# Altium PCB PCB_v2.PcbDoc (part 2 of 2) (continued)
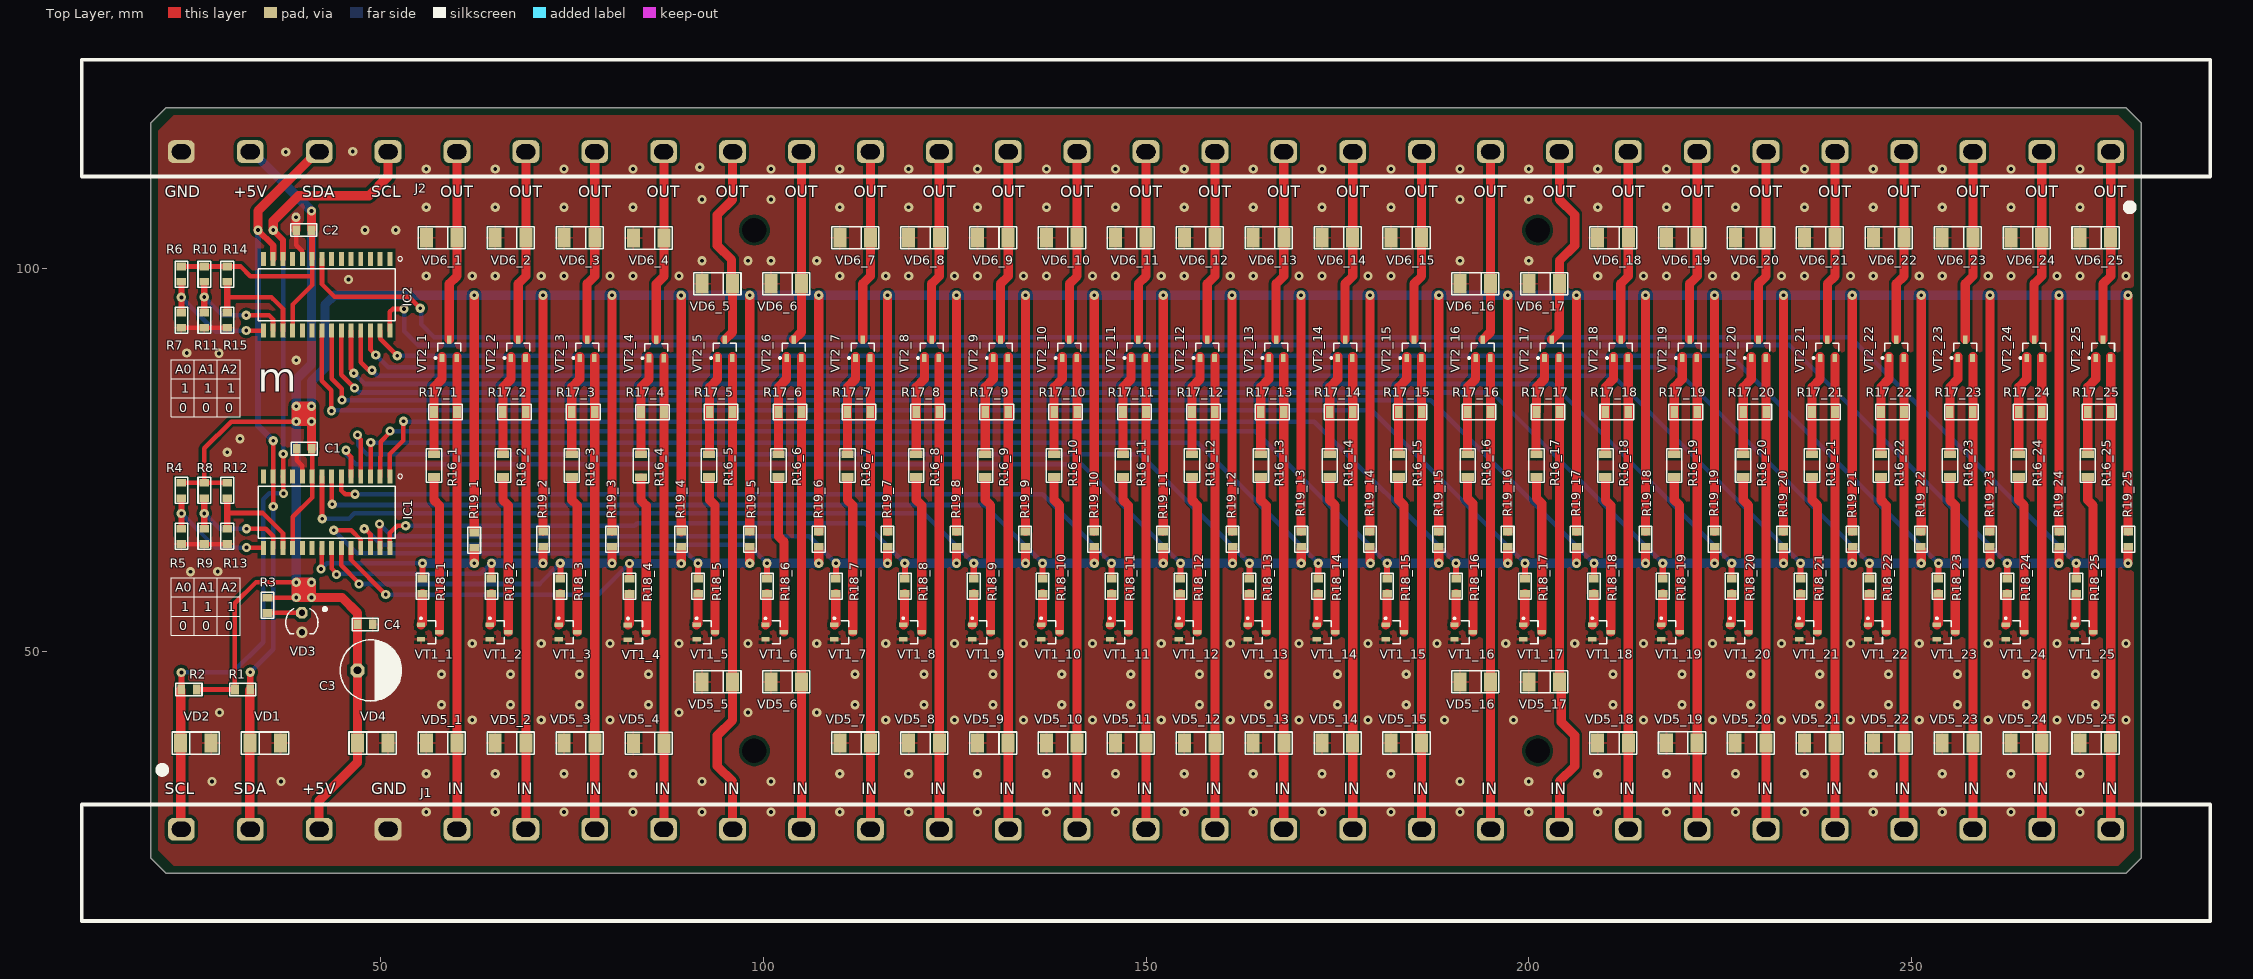
[diagram p0: Top Layer view]
## Nets (pads, with @x,y where several pads share a name; then routed paths per layer and width w, separated by ;. In a path a pad name is that pad's centre, name@x,y a point inside that pad or via, vN(x,y) a via of type N, cw(c..) or ccw(c..) an arc to the next point about the centre after c; other vN are vias at no path point) (continued)
NetR16_17_2: R16_17.2 VT1_17.3 | length 20.4
  Top Layer w1.2: R16_17.2@201,72.65 201,70 201.7,69.3 VT1_17.3@201.7,52.5
NetR16_18_1: R16_18.1 R17_18.2 VT2_18.1 | length 12.9
  Top Layer w1.2: R16_18.1@210,76 210,79 210,84.5 211.05,85.55 VT2_18.1@211.05,88.3 VT2_18.1@211.05,88.5
NetR16_18_2: R16_18.2 VT1_18.3 | length 20.4
  Top Layer w1.2: R16_18.2@210,72.65 210,69.75 210.7,69.05 VT1_18.3@210.7,52.5
NetR16_19_1: R16_19.1 R17_19.2 VT2_19.1 | length 12.9
  Top Layer w1.2: R16_19.1@219,76 219,79 219,84.5 220.05,85.55 VT2_19.1@220.05,88.3 VT2_19.1@220.05,88.5
NetR16_19_2: R16_19.2 VT1_19.3 | length 20.4
  Top Layer w1.2: R16_19.2@219,72.65 219,69.75 219.7,69.05 VT1_19.3@219.7,52.5
NetR16_20_1: R16_20.1 R17_20.2 VT2_20.1 | length 12.9
  Top Layer w1.2: R16_20.1@228,76 228,79 228,84.5 229.05,85.55 VT2_20.1@229.05,88.3 VT2_20.1@229.05,88.5
NetR16_20_2: R16_20.2 VT1_20.3 | length 20.4
  Top Layer w1.2: R16_20.2@228,72.65 228,69.75 228.7,69.05 VT1_20.3@228.7,52.5
NetR16_21_1: R16_21.1 R17_21.2 VT2_21.1 | length 12.9
  Top Layer w1.2: R16_21.1@237,76 237,79 237,84.5 238.05,85.55 VT2_21.1@238.05,88.3 VT2_21.1@238.05,88.5
NetR16_21_2: R16_21.2 VT1_21.3 | length 20.4
  Top Layer w1.2: R16_21.2@237,72.65 237,69.75 237.7,69.05 VT1_21.3@237.7,52.5
NetR16_22_1: R16_22.1 R17_22.2 VT2_22.1 | length 12.9
  Top Layer w1.2: R16_22.1@246,76 246,79 246,84.5 247.05,85.55 VT2_22.1@247.05,88.3 VT2_22.1@247.05,88.5
NetR16_22_2: R16_22.2 VT1_22.3 | length 20.4
  Top Layer w1.2: R16_22.2@246,72.65 246,69.75 246.7,69.05 VT1_22.3@246.7,52.5
NetR16_23_1: R16_23.1 R17_23.2 VT2_23.1 | length 12.9
  Top Layer w1.2: R16_23.1@255,76 255,79 255,84.5 256.05,85.55 VT2_23.1@256.05,88.3 VT2_23.1@256.05,88.5
NetR16_23_2: R16_23.2 VT1_23.3 | length 20.4
  Top Layer w1.2: R16_23.2@255,72.65 255,69.75 255.7,69.05 VT1_23.3@255.7,52.5
NetR16_24_1: R16_24.1 R17_24.2 VT2_24.1 | length 12.9
  Top Layer w1.2: R16_24.1@264,76 264,79 264,84.5 265.05,85.55 VT2_24.1@265.05,88.3 VT2_24.1@265.05,88.5
NetR16_24_2: R16_24.2 VT1_24.3 | length 20.4
  Top Layer w1.2: R16_24.2@264,72.65 264,69.75 264.7,69.05 VT1_24.3@264.7,52.5
NetR16_25_1: R16_25.1 R17_25.2 VT2_25.1 | length 12.9
  Top Layer w1.2: R16_25.1@273,76 273,79 273,84.5 274.05,85.55 VT2_25.1@274.05,88.3 VT2_25.1@274.05,88.5
NetR16_25_2: R16_25.2 VT1_25.3 | length 20.4
  Top Layer w1.2: R16_25.2@273,72.65 273,69.75 273.7,69.05 VT1_25.3@273.7,52.5
NetR18_1_2: R18_1.2 VT1_1.1 | length 4.1
  Top Layer w1.2: VT1_1.1@55.307,53.457 55.475,53.625 55.475,57.475 R18_1.2@55.5,57.5
NetR18_2_2: R18_2.2 VT1_2.1 | length 4.1
  Top Layer w1.2: VT1_2.1@64.307,53.457 64.475,53.625 64.475,57.475 R18_2.2@64.5,57.5
NetR18_3_2: R18_3.2 VT1_3.1 | length 4.1
  Top Layer w1.2: VT1_3.1@73.307,53.457 73.475,53.625 73.475,57.475 R18_3.2@73.5,57.5
NetR18_4_2: R18_4.2 VT1_4.1 | length 4.1
  Top Layer w1.2: VT1_4.1@82.342,53.432 82.51,53.6 82.51,57.45 R18_4.2@82.535,57.475
NetR18_5_2: R18_5.2 VT1_5.1 | length 4.1
  Top Layer w1.2: VT1_5.1@91.307,53.457 91.475,53.625 91.475,57.475 R18_5.2@91.5,57.5
NetR18_6_2: R18_6.2 VT1_6.1 | length 4.1
  Top Layer w1.2: VT1_6.1@100.307,53.457 100.475,53.625 100.475,57.475 R18_6.2@100.5,57.5
NetR18_7_2: R18_7.2 VT1_7.1 | length 4.1
  Top Layer w1.2: VT1_7.1@109.307,53.457 109.475,53.625 109.475,57.475 R18_7.2@109.5,57.5
NetR18_8_2: R18_8.2 VT1_8.1 | length 4.1
  Top Layer w1.2: VT1_8.1@118.307,53.457 118.475,53.625 118.475,57.475 R18_8.2@118.5,57.5
NetR18_9_2: R18_9.2 VT1_9.1 | length 4.1
  Top Layer w1.2: VT1_9.1@127.307,53.457 127.475,53.625 127.475,57.475 R18_9.2@127.5,57.5
NetR18_10_2: R18_10.2 VT1_10.1 | length 4.1
  Top Layer w1.2: VT1_10.1@136.307,53.457 136.475,53.625 136.475,57.475 R18_10.2@136.5,57.5
NetR18_11_2: R18_11.2 VT1_11.1 | length 4.1
  Top Layer w1.2: VT1_11.1@145.307,53.457 145.475,53.625 145.475,57.475 R18_11.2@145.5,57.5
NetR18_12_2: R18_12.2 VT1_12.1 | length 4.1
  Top Layer w1.2: VT1_12.1@154.307,53.457 154.475,53.625 154.475,57.475 R18_12.2@154.5,57.5
NetR18_13_2: R18_13.2 VT1_13.1 | length 4.1
  Top Layer w1.2: VT1_13.1@163.307,53.457 163.475,53.625 163.475,57.475 R18_13.2@163.5,57.5
NetR18_14_2: R18_14.2 VT1_14.1 | length 4.1
  Top Layer w1.2: VT1_14.1@172.307,53.457 172.475,53.625 172.475,57.475 R18_14.2@172.5,57.5
NetR18_15_2: R18_15.2 VT1_15.1 | length 4.1
  Top Layer w1.2: VT1_15.1@181.307,53.457 181.475,53.625 181.475,57.475 R18_15.2@181.5,57.5
NetR18_16_2: R18_16.2 VT1_16.1 | length 4.1
  Top Layer w1.2: VT1_16.1@190.307,53.457 190.475,53.625 190.475,57.475 R18_16.2@190.5,57.5
NetR18_17_2: R18_17.2 VT1_17.1 | length 4.1
  Top Layer w1.2: VT1_17.1@199.307,53.457 199.475,53.625 199.475,57.475 R18_17.2@199.5,57.5
NetR18_18_2: R18_18.2 VT1_18.1 | length 4.1
  Top Layer w1.2: VT1_18.1@208.307,53.457 208.475,53.625 208.475,57.475 R18_18.2@208.5,57.5
NetR18_19_2: R18_19.2 VT1_19.1 | length 4.1
  Top Layer w1.2: VT1_19.1@217.307,53.457 217.475,53.625 217.475,57.475 R18_19.2@217.5,57.5
NetR18_20_2: R18_20.2 VT1_20.1 | length 4.1
  Top Layer w1.2: VT1_20.1@226.307,53.457 226.475,53.625 226.475,57.475 R18_20.2@226.5,57.5
NetR18_21_2: R18_21.2 VT1_21.1 | length 4.1
  Top Layer w1.2: VT1_21.1@235.307,53.457 235.475,53.625 235.475,57.475 R18_21.2@235.5,57.5
NetR18_22_2: R18_22.2 VT1_22.1 | length 4.1
  Top Layer w1.2: VT1_22.1@244.307,53.457 244.475,53.625 244.475,57.475 R18_22.2@244.5,57.5
NetR18_23_2: R18_23.2 VT1_23.1 | length 4.1
  Top Layer w1.2: VT1_23.1@253.307,53.457 253.475,53.625 253.475,57.475 R18_23.2@253.5,57.5
NetR18_24_2: R18_24.2 VT1_24.1 | length 4.1
  Top Layer w1.2: VT1_24.1@262.307,53.457 262.475,53.625 262.475,57.475 R18_24.2@262.5,57.5
NetR18_25_2: R18_25.2 VT1_25.1 | length 4.1
  Top Layer w1.2: VT1_25.1@271.307,53.457 271.475,53.625 271.475,57.475 R18_25.2@271.5,57.5
SCL: IC1.12 IC2.12 J1.1 J2.26 R2.2 VD2.2 | length 115.5
  Top Layer w0.6: v1(37.301,75.75) 37.286,75.736 37.286,72.837 IC1.12@37.272,72.822 37.297,72.797 37.297,70.647 v1(37.327,70.617)
  Top Layer w0.8: R2.2@24,45 v1(24,47.234) ; v1(36,105) 36,104.998 37.272,103.726 IC2.12@37.272,101.234
  Top Layer w1.2: R2.2@23.925,44.975 23.925,37.925 23.925,26.825 J1.1@24,26.75 ; v1(36,105) 36,106.203 39.297,109.5 48.5,109.5 51,112 J2.26@51,115.25
  Bottom Layer w0.6: v1(24,47.234) 30.734,47.234 34.694,51.194 34.694,69.83 35.48,70.617 v1(37.327,70.617) ; v1(36,105) 37.301,103.699 v1(37.301,75.75)
SDA: IC1.13 IC2.13 J1.2 J2.27 R1.2 VD1.2 | length 98.6
  Top Layer w0.6: v1(35.994,68.922) 35.998,68.927 35.998,72.818 IC1.13@36.002,72.822 IC1.13@36.002,72.822 36.001,77.499 v1(36,77.5)
  Top Layer w0.8: R1.2@33,45 v1(33,47.25) ; v1(34,105) 36.002,102.998 IC2.13@36.002,101.234
  Top Layer w1.2: R1.2@32.925,44.975 32.925,37.925 32.925,26.825 J1.2@33,26.75 ; v1(34,105) 34,107.5 41.75,115.25 J2.27@42,115.25
  Bottom Layer w0.6: v1(33,47.25) 36,50.25 36,68.916 v1(35.994,68.922)
  Bottom Layer w0.8: v1(34,105) 34,79.5 v1(36,77.5)
SIG_0: IC1.21 R18_1.1 R19_1.1 | length 26.9
  Top Layer w0.6: v1(42.25,60.75) 42.327,60.827 42.327,63.447 IC1.21@42.352,63.472
  Top Layer w0.8: R18_1.1@55.5,59.5 v1(55.5,61.5)
  Top Layer w1.2: v1(62.25,61.5) R19_1.1@62.25,63.305
  Bottom Layer w0.6: v1(42.25,60.75) 43,61.5 v1(55.5,61.5)
  Bottom Layer w1.2: v1(55.5,61.5) v1(62.25,61.5)
SIG_1: IC1.22 R18_2.1 R19_2.1 | length 35.1
  Top Layer w0.6: IC1.22@43.622,63.472 43.622,60.803 44.256,60.169 v1(44.256,60.006)
  Top Layer w0.8: R18_2.1@64.5,59.5 v1(64.5,61.5)
  Top Layer w1.2: v1(71.25,61.5) R19_2.1@71.25,63.305
  Bottom Layer w0.6: v1(44.256,60.006) 44.35,60.1 63.1,60.1 v1(64.5,61.5)
  Bottom Layer w1.2: v1(64.5,61.5) v1(71.25,61.5)
  other v1: 71.25,61.5
SIG_2: IC1.23 R18_3.1 R19_3.1 | length 43.6
  Top Layer w0.6: IC1.23@44.892,63.472 44.892,61.209 47.2,58.901 v1(47.2,58.8)
  Top Layer w0.8: R18_3.1@73.5,59.5 v1(73.5,61.5)
  Top Layer w1.2: v1(80.25,61.5) R19_3.1@80.25,63.305
  Bottom Layer w0.6: v1(47.2,58.8) 47.222,58.778 70.778,58.778 v1(73.5,61.5)
  Bottom Layer w1.2: v1(73.5,61.5) v1(80.25,61.5)
  other v1: 80.25,61.5
SIG_3: IC1.24 R18_4.1 R19_4.1 | length 52
  Top Layer w0.6: IC1.24@46.162,63.472 46.162,61.938 v1(50.7,57.4)
  Top Layer w0.8: R18_4.1@82.535,59.475 v1(82.535,61.475)
  Top Layer w1.2: v1(89.285,61.475) R19_4.1@89.285,63.28
  Bottom Layer w0.6: v1(50.7,57.4) 78.46,57.4 v1(82.535,61.475)
  Bottom Layer w1.2: v1(82.535,61.475) v1(89.285,61.475)
  other v1: 89.285,61.475
SIG_4: IC1.25 R18_5.1 R19_5.1 | length 65.2
  Top Layer w0.6: v1(43.9,65.8) 46.2,65.8 47.407,64.593 47.407,63.497 IC1.25@47.432,63.472
  Top Layer w0.8: R18_5.1@91.5,59.5 v1(91.5,61.5)
  Top Layer w1.2: R19_5.1@98.228,63.416 98.25,63.394 v1(98.25,61.5)
  Bottom Layer w0.6: v1(43.9,65.8) 46.9,62.8 90.1,62.8 v1@91.5,61.4
  Bottom Layer w1.2: v1(91.5,61.5) v1(98.25,61.5)
SIG_5: IC1.26 R18_6.1 R19_6.1 | length 68.1
  Top Layer w0.6: v1(47.9,66) 47.999,66 48.702,65.297 IC1.26@48.702,63.472
  Top Layer w0.8: R18_6.1@100.5,59.5 v1(100.5,61.5)
  Top Layer w1.2: v1(107.258,61.5) 107.258,63.468 R19_6.1@107.271,63.481
  Bottom Layer w0.6: v1(47.9,66) 48,66 50.1,63.9 98.1,63.9 v1(100.5,61.5)
  Bottom Layer w1.2: v1(100.5,61.5) v1@107.25,61.5
SIG_6: IC1.27 R18_7.1 R19_7.1 | length 75.4
  Top Layer w0.6: v1(49.9,66.6) 49.947,66.553 49.947,63.497 IC1.27@49.972,63.472
  Top Layer w0.8: R18_7.1@109.5,59.5 v1(109.5,61.5)
  Top Layer w1.2: v1(116.25,61.5) R19_7.1@116.25,63.305
  Bottom Layer w0.6: v1(49.9,66.6) 51.5,65 106,65 v1(109.5,61.5)
  Bottom Layer w1.2: v1(109.5,61.5) v1(116.25,61.5)
SIG_7: IC1.28 R18_8.1 R19_8.1 | length 82.5
  Top Layer w0.6: IC1.28@51.242,63.472 51.242,65.442 52.2,66.4 v1(53.3,66.4)
  Top Layer w0.8: R18_8.1@118.5,59.5 v1(118.5,61.5)
  Top Layer w1.2: v1(125.25,61.5) R19_8.1@125.25,63.305
  Bottom Layer w0.6: v1(53.3,66.4) 83.232,66.4 83.531,66.699 113.301,66.699 v1(118.5,61.5)
  Bottom Layer w1.2: v1(118.5,61.5) v1(125.25,61.5)
SIG_8: IC1.8 R18_9.1 R19_9.1 | length 104.2
  Top Layer w0.6: IC1.8@42.352,72.822 42.376,72.798 42.376,67.324 v1(42.4,67.3)
  Top Layer w0.8: R18_9.1@127.5,59.5 v1(127.5,61.5)
  Top Layer w1.2: v1(134.25,61.5) R19_9.1@134.25,63.305
  Bottom Layer w0.6: v1(42.4,67.3) 45.9,67.3 46.599,67.999 121.001,67.999 v1(127.5,61.5)
  Bottom Layer w1.2: v1(127.5,61.5) v1(134.25,61.5)
SIG_9: IC1.7 R18_10.1 R19_10.1 | length 110.2
  Top Layer w0.6: IC1.7@43.622,72.822 43.647,72.797 43.647,69.253 v1(43.7,69.2)
  Top Layer w0.8: R18_10.1@136.5,59.5 v1(136.5,61.5)
  Top Layer w1.2: v1(143.25,61.5) R19_10.1@143.25,63.305
  Bottom Layer w0.6: v1(43.7,69.2) 43.8,69.1 128.9,69.1 v1(136.5,61.5)
  Bottom Layer w1.2: v1(136.5,61.5) v1(143.25,61.5)
SIG_10: IC1.6 R18_11.1 R19_11.1 | length 116.9
  Top Layer w0.6: IC1.6@44.892,72.822 44.892,70.997 45.389,70.5 v1(46.7,70.5)
  Top Layer w0.8: R18_11.1@145.5,59.5 v1(145.5,61.5)
  Top Layer w1.2: v1(152.25,61.5) R19_11.1@152.25,63.305
  Bottom Layer w0.6: v1(46.7,70.5) 136.5,70.5 v1(145.5,61.5)
  Bottom Layer w1.2: v1(145.5,61.5) v1(152.25,61.5)
SIG_11: IC1.5 R18_12.1 R19_12.1 | length 129.7
  Top Layer w0.6: v1(45.5,76.25) 45.5,76.088 46.162,75.426 IC1.5@46.162,72.822
  Top Layer w0.8: R18_12.1@154.5,59.5 v1(154.5,61.5)
  Top Layer w1.2: v1(161.312,61.5) R19_12.1@161.312,63.305
  Bottom Layer w0.6: v1(45.5,76.25) 45.615,76.135 45.615,75.635 46.8,74.45 141.55,74.45 v1(154.5,61.5)
  Bottom Layer w1.2: v1(154.5,61.5) v1(161.312,61.5)
SIG_12: IC1.4 R18_13.1 R19_13.1 | length 140.4
  Top Layer w0.6: v1(47,78.25) 47,78.088 47.432,77.656 IC1.4@47.432,72.822
  Top Layer w0.8: R18_13.1@163.5,59.5 v1(163.5,61.5)
  Top Layer w1.2: v1(170.279,61.5) R19_13.1@170.279,63.305
  Bottom Layer w0.6: v1(47,78.25) 47.1,78.15 47.1,76.9 48.25,75.75 149.25,75.75 v1(163.5,61.5)
  Bottom Layer w1.2: v1(163.5,61.5) v1(170.279,61.5)
SIG_13: IC1.3 R18_14.1 R19_14.1 | length 145.4
  Top Layer w0.6: IC1.3@48.702,72.822 48.726,72.846 48.726,77.226 v1(48.75,77.25)
  Top Layer w0.8: R18_14.1@172.5,59.5 v1(172.5,61.5)
  Top Layer w1.2: v1@179.244,61.568 R19_14.1@179.244,63.469
  Bottom Layer w0.6: v1(48.75,77.25) 156.75,77.25 v1(172.5,61.5)
  Bottom Layer w1.2: v1(172.5,61.5) v1(179.312,61.5)
SIG_14: IC1.2 R18_15.1 R19_15.1 | length 154.4
  Top Layer w0.6: IC1.2@49.972,72.822 49.972,75.378 50.05,75.456 50.05,77.388 51.25,78.588 v1(51.25,78.75)
  Top Layer w0.8: R18_15.1@181.5,59.5 v1(181.5,61.5)
  Top Layer w1.2: v1(188.25,61.5) R19_15.1@188.25,63.305
  Bottom Layer w0.6: v1(51.25,78.75) 164.25,78.75 v1(181.5,61.5)
  Bottom Layer w1.2: v1(181.5,61.5) v1(188.25,61.5)
  other v1: 188.25,61.5
SIG_15: IC1.1 R18_16.1 R19_16.1 | length 163.6
  Top Layer w0.6: IC1.1@51.242,72.822 51.242,75.763 53,77.521 v1(53,80.05)
  Top Layer w0.8: R18_16.1@190.5,59.5 v1(190.5,61.5)
  Top Layer w1.2: v1(197.25,61.5) 197.25,63.239 R19_16.1@197.263,63.252
  Bottom Layer w0.6: v1(53,80.05) 53.05,80 172,80 v1(190.5,61.5)
  Bottom Layer w1.2: v1(190.5,61.5) v1(197.25,61.5)
SIG_16: IC2.21 R18_17.1 R19_17.1 | length 185.9
  Top Layer w0.6: IC2.21@42.352,91.884 42.352,85.348 43.6,84.1 v1(43.6,81.4)
  Top Layer w0.8: R18_17.1@199.5,59.5 v1(199.5,61.5)
  Top Layer w1.2: R19_17.1@206.223,63.411 206.25,63.383 v1(206.25,61.5)
  Bottom Layer w0.6: v1(43.6,81.4) 43.7,81.5 179.5,81.5 v1(199.5,61.5)
  Bottom Layer w1.2: v1(199.5,61.5) v1(206.25,61.5)
SIG_17: IC2.22 R18_18.1 R19_18.1 | length 192.5
  Top Layer w0.6: IC2.22@43.622,91.884 43.622,85.609 44.931,84.3 44.931,82.869 v1(45,82.8)
  Top Layer w0.8: R18_18.1@208.5,59.5 v1(208.5,61.5)
  Top Layer w1.2: v1(215.25,61.5) R19_18.1@215.25,63.305
  Bottom Layer w0.6: v1(45,82.8) 187.2,82.8 v1(208.5,61.5)
  Bottom Layer w1.2: v1(208.5,61.5) v1(215.25,61.5)
  other v1: 215.25,61.5
SIG_18: IC2.23 R18_19.1 R19_19.1 | length 199.1
  Top Layer w0.6: IC2.23@44.892,91.884 44.892,86.108 v1(46.6,84.4)
  Top Layer w0.8: R18_19.1@217.5,59.5 v1(217.5,61.5)
  Top Layer w1.2: v1(224.25,61.5) R19_19.1@224.25,63.305
  Bottom Layer w0.6: v1(46.6,84.4) 46.651,84.4 47.251,83.8 195.2,83.8 v1(217.5,61.5)
  Bottom Layer w1.2: v1(217.5,61.5) v1(224.25,61.5)
  other v1: 224.25,61.5
SIG_19: IC2.24 R18_20.1 R19_20.1 | length 206.5
  Top Layer w0.6: IC2.24@46.162,91.884 46.162,86.839 46.519,86.482 v1(46.519,86.319)
  Top Layer w0.8: R18_20.1@226.5,59.5 v1(226.5,61.5)
  Top Layer w1.2: v1(233.25,61.5) R19_20.1@233.25,63.305
  Bottom Layer w0.6: v1(46.519,86.319) 47.938,84.9 203.1,84.9 v1(226.5,61.5)
  Bottom Layer w1.2: v1(226.5,61.5) v1(233.25,61.5)
  other v1: 233.25,61.5
SIG_20: IC2.25 R18_21.1 R19_21.1 | length 213.6
  Top Layer w0.6: IC2.25@47.432,91.884 47.432,87.768 48.5,86.7 v1(48.9,86.7)
  Top Layer w0.8: R18_21.1@235.5,59.5 v1(235.5,61.5)
  Top Layer w1.2: v1(242.25,61.5) R19_21.1@242.25,63.305
  Bottom Layer w0.6: v1(48.9,86.7) 49.6,86 211,86 232.352,64.648 v1(235.5,61.5)
  Bottom Layer w1.2: v1(235.5,61.5) v1(242.25,61.5)
  other v1: 242.25,61.5
SIG_21: IC2.26 R18_22.1 R19_22.1 | length 220.4
  Top Layer w0.6: IC2.26@48.702,91.884 48.702,89.398 v1(49.4,88.7)
  Top Layer w0.8: R18_22.1@244.5,59.5 v1(244.5,61.5)
  Top Layer w1.2: v1(251.25,61.5) R19_22.1@251.25,63.305
  Bottom Layer w0.6: v1(49.4,88.7) 51,87.1 218.9,87.1 v1(244.5,61.5)
  Bottom Layer w1.2: v1(244.5,61.5) v1(251.25,61.5)
  other v1: 251.25,61.5
SIG_22: IC2.27 R18_23.1 R19_23.1 | length 227.3
  Top Layer w0.6: IC2.27@49.972,91.884 49.997,91.859 49.997,90.803 v1(52.2,88.6)
  Top Layer w0.8: R18_23.1@253.5,59.5 v1(253.5,61.5)
  Top Layer w1.2: v1(260.25,61.5) R19_23.1@260.25,63.305
  Bottom Layer w0.6: v1(52.2,88.6) 226.4,88.6 v1(253.5,61.5)
  Bottom Layer w1.2: v1(253.5,61.5) v1(260.25,61.5)
  other v1: 260.25,61.5
SIG_23: IC2.28 R18_24.1 R19_24.1 | length 239.9
  Top Layer w0.6: IC2.28@51.242,91.884 51.242,94.349 51.593,94.7 v1(53.1,94.7)
  Top Layer w0.8: R18_24.1@262.5,59.5 v1(262.5,61.5)
  Top Layer w1.2: v1(269.25,61.5) R19_24.1@269.25,63.305
  Bottom Layer w0.6: v1(53.1,94.7) 53.1,91.8 54.9,90 234,90 v1(262.5,61.5)
  Bottom Layer w1.2: v1(262.5,61.5) v1(269.25,61.5)
  other v1: 269.25,61.5
SIG_24: IC2.8 R18_25.1 R19_25.1 | length 259.3
  Top Layer w0.6: IC2.8@42.352,101.234 42.377,101.209 42.377,97.923 44,96.3 53.7,96.3 v1(55.198,94.802)
  Top Layer w0.8: R18_25.1@271.5,59.5 v1(271.5,61.5)
  Top Layer w1.2: v1(278.25,61.5) R19_25.1@278.25,63.305
  Bottom Layer w0.6: v1(55.198,94.802) 55.313,94.687 55.313,92.687 57,91 242,91 v1(271.5,61.5)
  Bottom Layer w1.2: v1(271.5,61.5) v1(278.25,61.5)
  other v1: 278.25,61.5
pads on no net: IC1.11 IC1.14 IC1.19 IC1.20 IC2.1 IC2.2 IC2.3 IC2.4 IC2.5 IC2.6 IC2.7 IC2.11 IC2.14 IC2.19 IC2.20 VD1. VD2. VD4. VD5_1. VD5_2. VD5_3. VD5_4. VD5_5. VD5_6. VD5_7. VD5_8. VD5_9. VD5_10. VD5_11. VD5_12. VD5_13. VD5_14. VD5_15. VD5_16. VD5_17. VD5_18. VD5_19. VD5_20. VD5_21. VD5_22. VD5_23. VD5_24. VD5_25. VD6_1. VD6_2. VD6_3. VD6_4. VD6_5. VD6_6. VD6_7. VD6_8. VD6_9. VD6_10. VD6_11. VD6_12. VD6_13. VD6_14. VD6_15. VD6_16. VD6_17. VD6_18. VD6_19. VD6_20. VD6_21. VD6_22. VD6_23. VD6_24. VD6_25. VT1_1. VT1_2. VT1_3. VT1_4. VT1_5. VT1_6. VT1_7. VT1_8. VT1_9. VT1_10. VT1_11. VT1_12. VT1_13. VT1_14. VT1_15. VT1_16. VT1_17. VT1_18. VT1_19. VT1_20. VT1_21. VT1_22. VT1_23. VT1_24. VT1_25. VT2_1. VT2_2. VT2_3. VT2_4. VT2_5. VT2_6. VT2_7. VT2_8. VT2_9. VT2_10. VT2_11. VT2_12. VT2_13. VT2_14. VT2_15. VT2_16. VT2_17. VT2_18. VT2_19. VT2_20. VT2_21. VT2_22. VT2_23. VT2_24. VT2_25.

## Polygon pours and split planes (outlines as drawn)
GND on Bottom Layer "GND_L02_P002" (solid, remove dead copper, pour order 2): 21,118 23,120 277,120 279,118 279,24 277,22 23,22 21,24
GND on Top Layer "GND_L01_P001" (solid, remove dead copper, pour order 1): 21,118 23,120 277,120 279,118 279,24 277,22 23,22 21,24

## Other copper
Top Layer:
  rectangle net 5V: 39,57.5 41,59
  rectangle net 5V: 39,80 41,82
  pour cut-out: 34.037,71.547 51.937,71.547 51.937,64.747 34.057,64.747 34.007,64.797
Bottom Layer:
  rectangle net 5V: 39,57 41,59
  rectangle net 5V: 39,80 41,82

## Silkscreen, mask and mechanical layers (free items; w line width, h text height)
Top Overlay:
  circle w0.6: c42.75,55.5 r0.1
  lines w0.15: 22.668,54.596 25.668,54.596 28.668,54.596 31.668,54.596 ; 22.668,57.096 25.668,57.096 28.668,57.096 31.668,57.096 ; 22.668,83.096 25.668,83.096 28.668,83.096 31.668,83.096 ; 22.668,85.596 25.668,85.596 28.668,85.596 31.668,85.596 ; 25.668,52.096 22.668,52.096 22.668,59.596 25.668,59.596 ; 25.668,52.096 25.668,59.596 ; 25.668,52.096 28.668,52.096 ; 25.668,59.596 28.668,59.596 ; 25.668,80.596 28.668,80.596 ; 25.668,80.596 25.668,88.096 ; 25.668,80.596 22.668,80.596 22.668,88.096 25.668,88.096 ; 25.668,88.096 28.668,88.096 ; 28.668,52.096 28.668,59.596 ; 28.668,52.096 31.668,52.096 31.668,59.596 28.668,59.596 ; 28.668,80.596 31.668,80.596 31.668,88.096 28.668,88.096 ; 28.668,80.596 28.668,88.096
  text "GND" at 21.82,109.32 h1.5
  text "+5V" at 30.82,109.32 h1.5
  text "SDA" at 39.82,109.32 h1.5
  text "SCL" at 48.82,109.32 h1.5
  text "OUT" at 57.82,109.32 h1.5
  text "OUT" at 66.82,109.32 h1.5
  text "OUT" at 75.82,109.32 h1.5
  text "OUT" at 84.82,109.32 h1.5
  text "OUT" at 93.82,109.32 h1.5
  text "OUT" at 102.82,109.32 h1.5
  text "OUT" at 111.82,109.32 h1.5
  text "OUT" at 120.82,109.32 h1.5
  text "OUT" at 129.82,109.32 h1.5
  text "OUT" at 138.82,109.32 h1.5
  text "OUT" at 147.82,109.32 h1.5
  text "OUT" at 156.82,109.32 h1.5
  text "OUT" at 165.82,109.32 h1.5
  text "OUT" at 174.82,109.32 h1.5
  text "OUT" at 183.82,109.32 h1.5
  text "OUT" at 192.82,109.32 h1.5
  text "OUT" at 201.82,109.32 h1.5
  text "OUT" at 210.82,109.32 h1.5
  text "OUT" at 219.82,109.32 h1.5
  text "OUT" at 228.82,109.32 h1.5
  text "OUT" at 237.82,109.32 h1.5
  text "OUT" at 246.82,109.32 h1.5
  text "OUT" at 255.82,109.32 h1.5
  text "OUT" at 264.82,109.32 h1.5
  text "OUT" at 273.82,109.32 h1.5
  text "A0" at 23.182,86.257 h1.2
  text "A1" at 26.25,86.25 h1.2
  text "A2" at 29.182,86.257 h1.2
  text "1" at 23.98,83.754 h1.2
  text "1" at 26.98,83.754 h1.2
  text "1" at 29.98,83.754 h1.2
  text "m" at 34,82.653 h6.5
  text "0" at 23.727,81.247 h1.2
  text "0" at 26.727,81.247 h1.2
  text "0" at 29.727,81.247 h1.2
  text "A0" at 23.182,57.757 h1.2
  text "A1" at 26.25,57.75 h1.2
  text "A2" at 29.182,57.757 h1.2
  text "1" at 23.98,55.254 h1.2
  text "1" at 26.98,55.254 h1.2
  text "1" at 29.98,55.254 h1.2
  text "0" at 23.727,52.747 h1.2
  text "0" at 26.727,52.747 h1.2
  text "0" at 29.727,52.747 h1.2
  text "SCL" at 21.82,31.32 h1.5
  text "SDA" at 30.82,31.32 h1.5
  text "+5V" at 39.82,31.32 h1.5
  text "GND" at 48.82,31.32 h1.5
  text "IN" at 58.82,31.32 h1.5
  text "IN" at 67.82,31.32 h1.5
  text "IN" at 76.82,31.32 h1.5
  text "IN" at 85.82,31.32 h1.5
  text "IN" at 94.82,31.32 h1.5
  text "IN" at 103.82,31.32 h1.5
  text "IN" at 112.82,31.32 h1.5
  text "IN" at 121.82,31.32 h1.5
  text "IN" at 130.82,31.32 h1.5
  text "IN" at 139.82,31.32 h1.5
  text "IN" at 148.82,31.32 h1.5
  text "IN" at 157.82,31.32 h1.5
  text "IN" at 166.82,31.32 h1.5
  text "IN" at 175.82,31.32 h1.5
  text "IN" at 184.82,31.32 h1.5
  text "IN" at 193.82,31.32 h1.5
  text "IN" at 202.82,31.32 h1.5
  text "IN" at 211.82,31.32 h1.5
  text "IN" at 220.82,31.32 h1.5
  text "IN" at 229.82,31.32 h1.5
  text "IN" at 238.82,31.32 h1.5
  text "IN" at 247.82,31.32 h1.5
  text "IN" at 256.82,31.32 h1.5
  text "IN" at 265.82,31.32 h1.5
  text "IN" at 274.82,31.32 h1.5
Drill Guide:
  circle w0.254: c201.15,37 r3.804
  circle w0.254: c98.85,105 r3.804
  circle w0.254: c201.15,105 r3.804
  circle w0.254: c98.85,37 r3.804
  lines w0.254: 13.85,19 98.85,19 98.85,37 ; 13.85,123 98.85,123 98.85,105 ; 201.15,37 201.15,19 286.15,19 ; 201.15,105 201.15,123 286.15,123
Mechanical 1:
  circle w0.254: c15.85,119.5 r1
  circle w0.254: c284.15,119.5 r1
  circle w0.254: c284.15,22.5 r1
  circle w0.254: c15.85,22.5 r1
  lines w0.254: 10,16 150,16 ; 10,126 150,126 150,123 ; 12,19 150,19 ; 12,123 150,123 ; 12.5,9.5 12.5,71 ; 12.5,132.5 12.5,71 ; 13.85,129 13.85,71 ; 15.85,20.825 15.85,22.5 15.85,24.475 ; 15.85,117.525 15.85,119.5 15.85,121.175 ; 16.85,22.5 14.85,22.5 ; 16.85,119.5 14.85,119.5 ; 20,40 280,40 ; 20,102 75,102 ; 22,32 283,32 ; 54.5,26.5 54.5,142 ; 54.5,117 306.5,117 ; 63.5,26.5 63.5,142 ; 72.5,26.5 72.5,142 ; 75,121 75,102 ; 81.5,26.5 81.5,142 ; 90.5,26.5 90.5,142 ; 99.5,26.5 99.5,142 ; 108.5,26.5 108.5,142 ; 117.5,26.5 117.5,142 ; 126.5,26.5 126.5,142 ; 135.5,26.5 135.5,142 ; 144.5,26.5 144.5,142 ; 153.5,26.5 153.5,142 ; 162.5,26.5 162.5,142 ; 171.5,26.5 171.5,142 ; 180.5,26.5 180.5,142 ; 189.5,26.5 189.5,142 ; 198.5,26.5 198.5,142 ; 207.5,26.75 207.5,142.25 ; 216.5,26.75 216.5,142.25 ; 225.5,26.75 225.5,142.25 ; 234.5,26.75 234.5,142.25 ; 243.5,26.75 243.5,142.25 ; 252.5,26.75 252.5,142.25 ; 261.5,26.75 261.5,142.25 ; 270.5,26.75 270.5,142.25 ; 280,102 75,102 ; 283.15,22.5 285.15,22.5 ; 283.15,119.5 285.15,119.5 ; 284.15,19.675 284.15,22.5 284.15,25.525 ; 284.15,116.475 284.15,119.5 284.15,122.325 ; 285,14 286.15,15.15 286.15,71 ; 285,128 286.15,126.85 286.15,71 ; 293.826,19 150,19 ; 293.826,123 150,123 ; 12.5,71 13.85,71 ; 13.85,71 13.85,13 13.85,71 ; 14.85,22.5 14.85,19 13.85,19 13.85,22.5 14.85,22.5 ; 14.85,119.5 13.85,119.5 13.85,123 14.85,123 14.85,119.5 ; 150,19 150,71 287.5,71 286.15,71 ; 285.15,22.5 286.15,22.5 286.15,19 285.15,19 285.15,22.5 ; 285.15,119.5 285.15,123 286.15,123 286.15,119.5 285.15,119.5
Board Outline:
  the board outline again, w0.254